# Altium PCB 10515.0462_全联供主板(2拼版)_V1.0.PcbDoc (part 15 of 18)
Units mm, origin at the board's own origin, x right, y up, seen from the top; angles counter-clockwise.
Board outline 282 x 198 mm, 2 copper layers (Top Layer, Bottom Layer); 716 components, 0 nets, 2364 pads, 1800 vias.
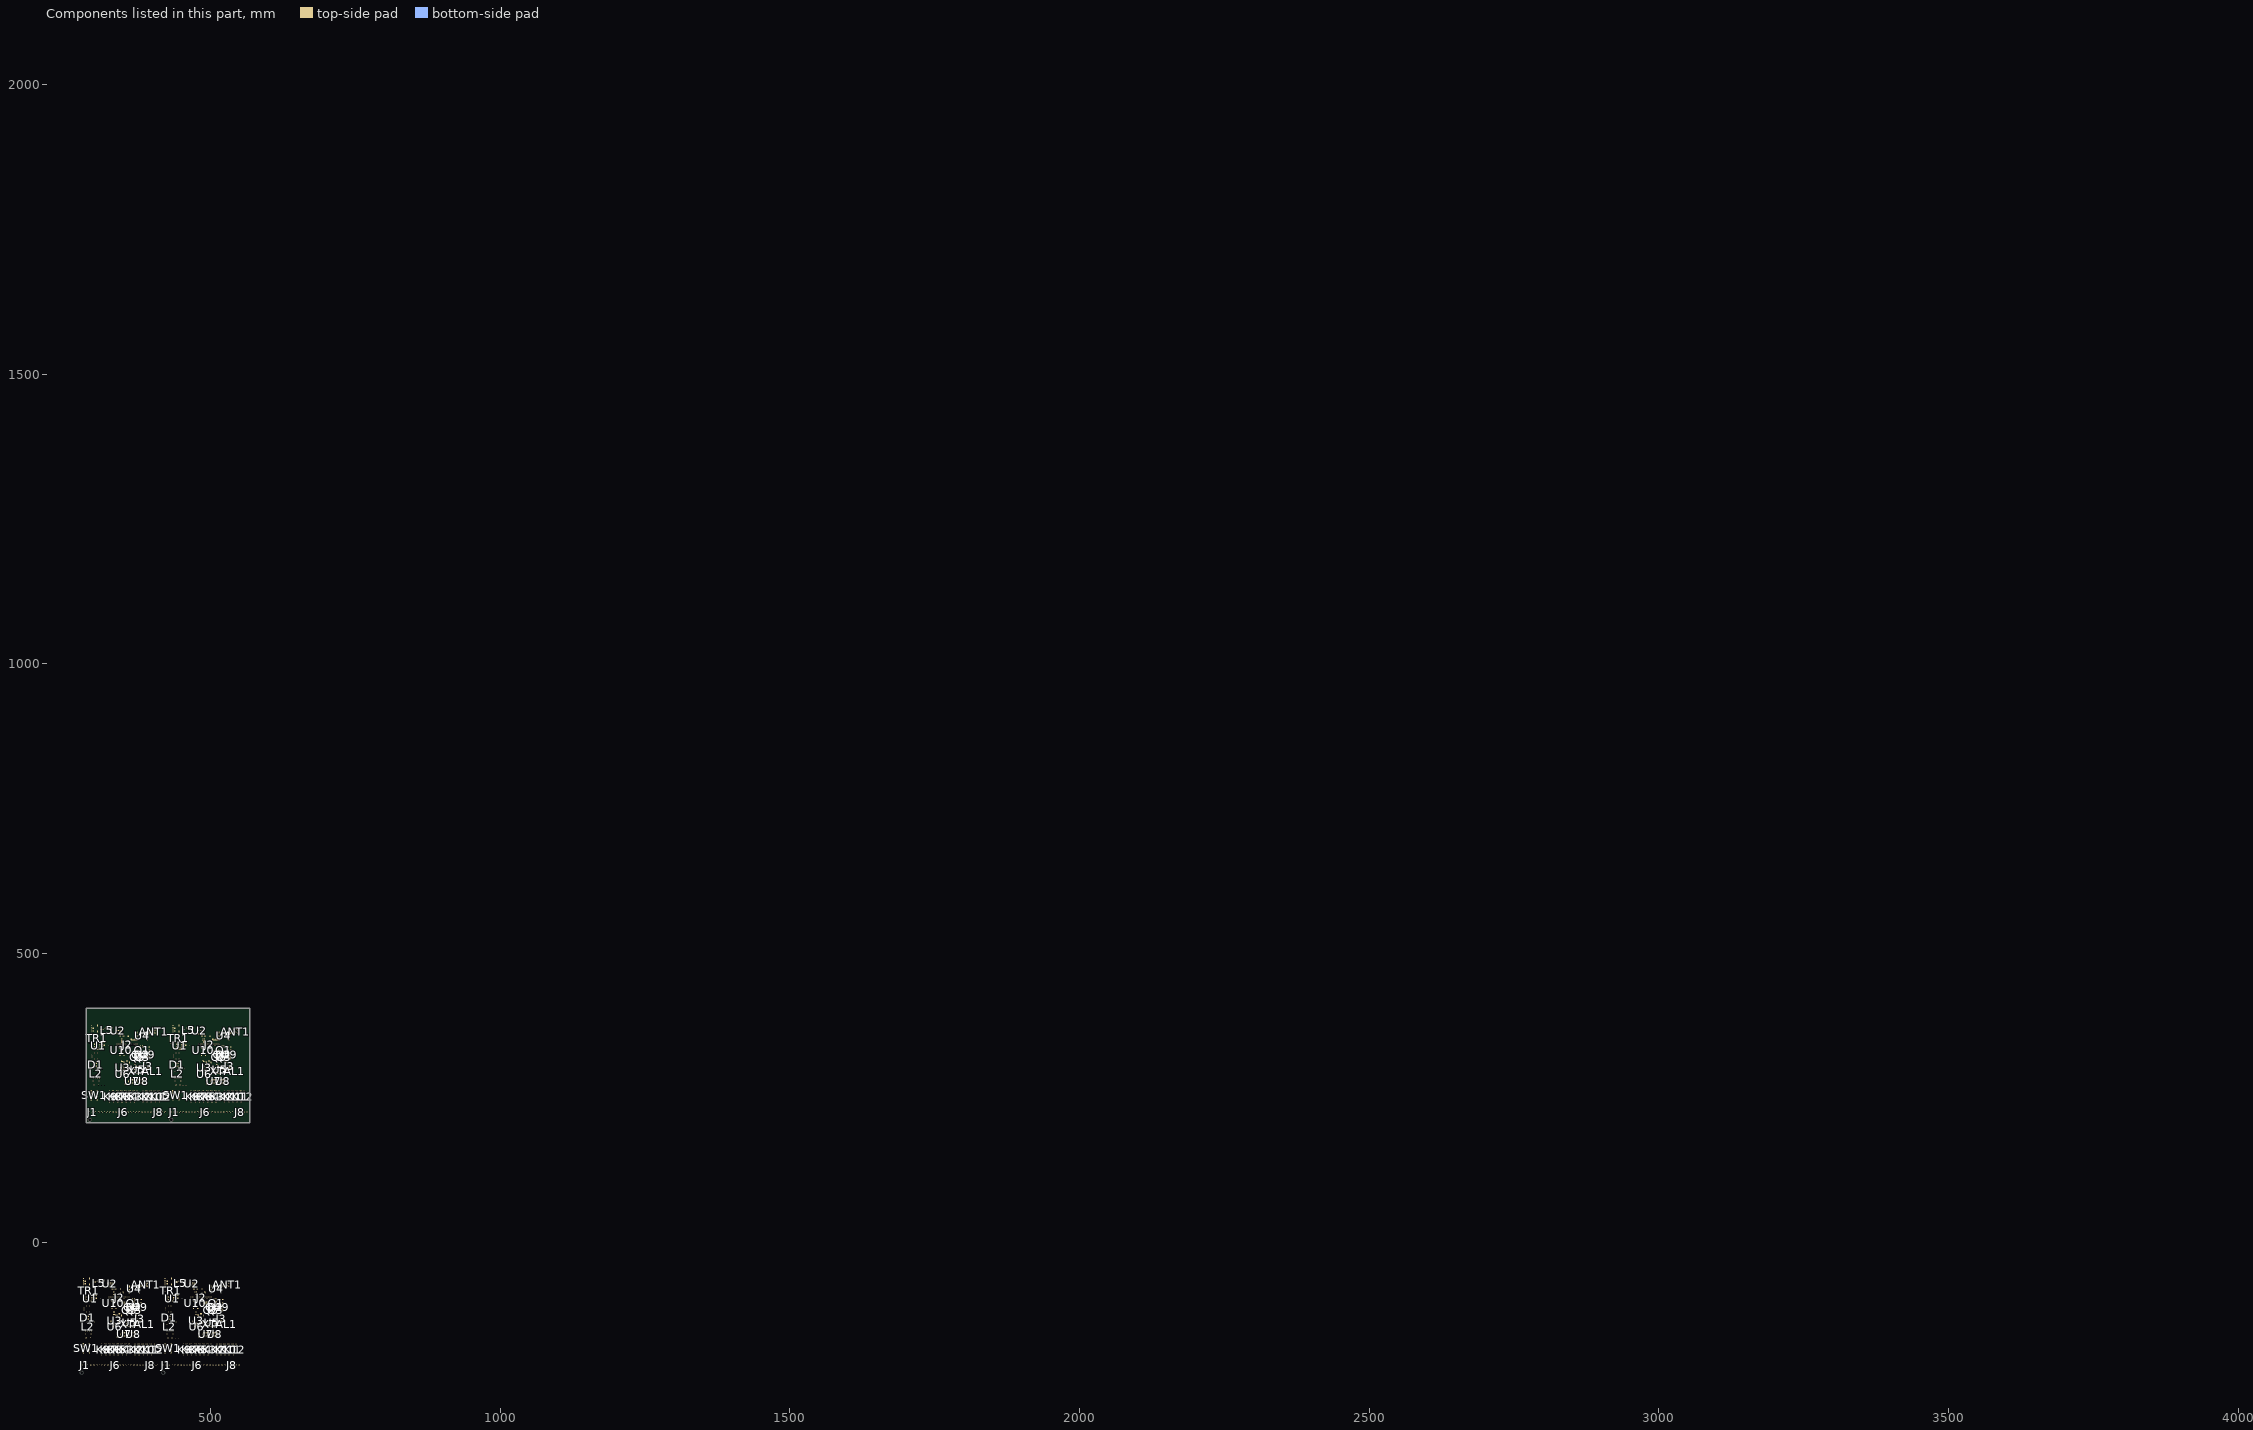
[diagram p15: the components of this part, seen from the top]

## Via types
v1: diameter 0.7, hole 0.4, Top Layer to Bottom Layer, tented both sides, 1800 vias

## Nets (pads, with @x,y where several pads share a name; then routed paths per layer and width w, separated by ;. In a path a pad name is that pad's centre, name@x,y a point inside that pad or via, vN(x,y) a via of type N, cw(c..) or ccw(c..) an arc to the next point about the centre after c; other vN are vias at no path point) (continued)
copper on no net: (continued)
  Bottom Layer w0.65: v1@318.496,-69.089 ccw(c318.496,-68.238) v1@319.098,-68.84 ; v1@318.514,-69.096 ccw(c318.952,-68.658) 318.952,-69.278 ; v1@319.154,-68.797 ccw(c319.893,-68.47) v1(319.893,-69.278) ; v1@319.87,-69.288 ccw(c319.131,-69.615) v1(319.131,-68.807) ; v1@319.875,-69.295 cw(c318.606,-70.565) 320.401,-70.565 ; v1@319.894,-69.303 cw(c319.945,-70.242) 320.61,-69.577 ; v1@320.094,-69.061 ccw(c320.386,-68.769) v1@320.64,-69.094 ; 320.401,-69.788 cw(c321.329,-69.788) v1@320.673,-69.132 ; 322.272,-92.736 cw(c322.272,-95.564) 324.272,-93.564 ccw(c323.526,-94.31) 323.526,-93.255 ccw(c323.526,-92.2) 324.272,-92.946 cw(c322.327,-91.002) 322.327,-93.752 ; 323.841,-92.736 cw(c323.841,-93.995) 324.732,-93.105 ; 323.896,-93.752 ccw(c323.896,-92.571) 324.732,-93.406 ; 324.062,-92.736 321.163,-92.736 320.401,-91.974 320.401,-69.368 319.84,-68.807 v1(319.131,-68.807) ; 324.272,-95.486 ccw(c323.526,-94.74) 324.581,-94.74 ccw(c325.636,-94.74) 324.89,-95.486 ; 324.581,-95.795 324.581,-94.376 323.957,-93.752 320.782,-93.752 319.893,-92.863 319.893,-92.355 ; 324.581,-93.255 320.794,-93.255 319.893,-92.355 ; 325.862,-95.911 327.121,-97.17 ; 327.121,-96.232 cw(c327.121,-97.287) 327.867,-96.541 cw(c328.613,-95.795) 327.558,-95.795 ; 327.259,-96.546 328.529,-97.816 ; 327.558,-95.812 ccw(c329.833,-95.9) 328.223,-97.51 ; 331.704,-92.759 331.704,-89.815 332.657,-88.862 340.15,-88.862 ; 331.704,-92.57 ccw(c332.886,-92.57) 332.05,-93.406 ; 331.704,-91.001 ccw(c334.456,-91.001) 332.51,-92.946 cw(c333.256,-92.2) 332.201,-92.2 cw(c331.146,-92.2) 331.892,-92.946 ccw(c330.353,-91.407) 332.53,-91.407 ; v1@332.125,367.506 ccw(c332.125,368.358) v1@332.727,367.756 ; v1@332.143,367.499 ccw(c332.581,367.937) 332.581,367.318 ; 332.201,-93.255 332.201,-91.974 332.201,-90.588 ; 332.53,-92.927 332.53,-90.259 ; v1@332.783,367.799 ccw(c333.522,368.126) v1(333.522,367.318) ; v1@333.499,367.308 ccw(c332.76,366.981) v1(332.76,367.789) ; v1@333.504,367.3 cw(c332.235,366.031) 334.03,366.031 ; v1@333.523,367.293 cw(c333.574,366.354) 334.239,367.019 ; v1@333.723,367.535 ccw(c334.015,367.827) v1@334.269,367.501 ; 334.03,366.808 cw(c334.957,366.808) v1@334.302,367.464 ; 334.741,-93.255 334.741,-91.477 334.752,-91.466 ; 335.901,343.859 cw(c335.901,341.031) 337.901,343.031 ccw(c337.155,342.285) 337.155,343.34 ccw(c337.155,344.395) 337.901,343.649 cw(c335.956,345.594) 335.956,342.843 ; 337.47,343.859 cw(c337.47,342.6) 338.36,343.491 ; 337.525,342.843 ccw(c337.525,344.025) 338.36,343.189 ; 337.69,343.859 334.792,343.859 334.03,344.621 334.03,367.227 333.469,367.789 v1(332.76,367.789) ; 337.901,341.109 ccw(c337.155,341.855) 338.21,341.855 ccw(c339.265,341.855) 338.519,341.109 ; 338.21,340.8 338.21,342.22 337.586,342.843 334.411,342.843 333.522,343.732 333.522,344.24 ; 338.21,343.34 334.422,343.34 333.522,344.24 ; 339.324,-89.688 340.15,-88.862 ; 339.491,340.684 340.75,339.426 ; 340.14,-88.872 cw(c341.483,-90.216) v1@341.483,-88.316 ; 340.467,-89.307 341.737,-88.037 ; v1@340.729,-88.267 ccw(c341.05,-87.35) 341.737,-88.037 ; 340.75,340.363 cw(c340.75,339.308) 341.496,340.054 cw(c342.242,340.8) 341.187,340.8 ; 340.888,340.049 342.158,338.779 ; 340.902,-88.872 cw(c342.245,-90.216) v1@342.245,-88.316 ; v1@340.902,-88.11 cw(c342.245,-89.454) v1@342.245,-87.554 ; 340.912,-88.862 ccw(c339.569,-87.518) v1@341.469,-87.518 ; 341.186,340.783 ccw(c343.461,340.696) 341.852,339.086 ; v1@341.356,-88.418 cw(c341.861,-88.923) v1@342.232,-88.312 ; v1@341.465,-88.273 ccw(c340.81,-87.617) v1@341.737,-87.617 ; v1@341.468,-88.311 cw(c341.045,-88.859) 341.737,-88.859 ; v1@341.476,-87.536 cw(c340.846,-88.167) v1@341.737,-88.167 ; v1@341.508,-88.291 cw(c343.408,-88.291) v1@342.065,-86.948 ; 341.737,-89.009 cw(c342.463,-89.009) v1@342.252,-88.315 ; v1@341.737,-88.247 cw(c342.463,-88.247) v1@342.252,-87.553 ; 341.801,-89.37 ccw(c340.785,-88.354) v1@342.22,-88.292 ; v1@342.259,-88.27 cw(c342.947,-87.275) v1@341.737,-87.275 ; 345.333,343.837 345.333,346.78 346.285,347.733 353.778,347.733 ; 345.333,344.025 ccw(c346.515,344.025) 345.679,343.189 ; 345.333,345.595 ccw(c348.084,345.595) 346.139,343.649 cw(c346.885,344.395) 345.83,344.395 cw(c344.775,344.395) 345.521,343.649 ccw(c343.981,345.188) 346.158,345.188 ; 345.83,343.34 345.83,344.621 345.83,346.007 ; 346.158,343.669 346.158,346.336 ; v1(347.452,-128.11) 347.497,-128.155 352.926,-128.155 376.027,-128.155 ; 348.37,343.34 348.37,345.118 348.381,345.129 ; v1(348.883,-103.669) v1(352.439,-103.669) 356.735,-103.669 357.231,-104.166 357.231,-113.31 357.231,-113.564 ; v1(348.96,-101.941) v1(352.389,-101.941) v1(355.945,-101.941) 357.866,-101.941 ; 352.953,346.907 353.778,347.733 ; 353.768,347.723 cw(c355.112,346.38) v1@355.112,348.279 ; 354.096,347.288 355.366,348.558 ; v1@354.358,348.328 ccw(c354.679,349.246) 355.366,348.558 ; 354.53,347.723 cw(c355.874,346.38) v1@355.874,348.279 ; v1@354.53,348.485 cw(c355.874,347.142) v1@355.874,349.041 ; 354.541,347.734 ccw(c353.197,349.077) v1@355.097,349.077 ; v1@354.985,348.178 cw(c355.49,347.672) v1@355.861,348.283 ; v1@355.094,348.322 ccw(c354.438,348.978) v1@355.366,348.978 ; v1@355.097,348.285 cw(c354.673,347.737) 355.366,347.737 ; v1@355.105,349.059 cw(c354.474,348.429) v1@355.366,348.429 ; v1@355.137,348.304 cw(c357.037,348.304) v1@355.693,349.648 ; 355.366,347.586 cw(c356.092,347.586) v1@355.881,348.281 ; v1@355.366,348.348 cw(c356.092,348.348) v1@355.881,349.043 ; v1@355.366,349.32 ccw(c356.576,349.32) v1@355.888,348.325 ; 355.429,347.225 ccw(c354.413,348.241) v1@355.849,348.303 ; v1(355.961,-103.658) 356.215,-103.658 357.231,-104.674 ; 358.755,-113.008 cw(c360.098,-113.008) v1@359.149,-112.058 ; 358.755,-111.072 ccw(c360.098,-111.072) v1@359.149,-112.022 ; 358.755,-106.553 cw(c360.14,-106.553) v1@359.161,-105.574 ; 358.755,-104.559 ccw(c360.14,-104.559) v1@359.161,-105.538 ; v1(359.131,-112.04) 359.131,-112.162 360.279,-113.31 ; v1(361.081,308.486) 361.126,308.44 366.555,308.44 389.656,308.44 ; v1(362.512,332.926) v1(366.068,332.926) 370.363,332.926 370.86,332.429 370.86,323.285 370.86,323.031 ; 362.565,-98.324 361.25,-98.324 360.742,-97.816 ; v1(362.589,334.654) v1(366.018,334.654) v1(369.574,334.654) 371.495,334.654 ; 362.819,-127.026 363.581,-126.264 ; 363.199,-127.16 363.581,-126.777 ; v1(363.581,-127.28) 363.581,-126.645 ; 363.581,-120.676 363.581,-120.644 364.184,-120.041 ; 363.581,-119.279 363.581,-119.438 364.184,-120.041 ; 363.964,-127.147 363.594,-126.777 363.581,-126.777 ; 364.47,-127.039 364.356,-127.039 363.581,-126.264 ; 364.548,-113.31 cw(c364.548,-115.491) v1@366.089,-113.949 ; 364.964,-113.31 366.107,-114.453 ; 365.225,-113.571 ccw(c366.039,-112.758) v1@366.106,-113.906 ; v1(365.232,-120.041) 364.216,-120.041 ; v1@365.468,-122.7 cw(c363.927,-124.242) 366.107,-124.242 ; v1@365.468,-122.664 ccw(c363.927,-121.122) 366.107,-121.122 ; v1(366.107,-126.264) 366.107,-118.263 ; 366.107,-119.279 366.107,-119.166 367.01,-118.263 ; 366.107,-117.374 366.996,-118.263 367.01,-118.263 ; v1@366.107,-113.906 ccw(c366.107,-112.585) 367.041,-113.519 ; 366.107,-113.451 v1(366.107,-113.931) 366.107,-114.453 ; v1@366.125,-113.949 cw(c367.667,-115.491) 367.667,-113.31 ; 367.25,-113.31 366.107,-114.453 ; v1(369.59,332.937) 369.844,332.937 370.86,331.921 ; v1(369.931,-113.31) 359.639,-113.31 ; v1(370.727,-117.12) 370.806,-117.041 370.806,-111.038 371.438,-110.406 v1(373.597,-110.406) ; 372.384,323.588 cw(c373.727,323.588) v1@372.777,324.538 ; 372.384,325.523 ccw(c373.727,325.523) v1@372.777,324.573 ; 372.384,330.042 cw(c373.769,330.042) v1@372.79,331.022 ; 372.384,332.037 ccw(c373.769,332.037) v1@372.79,331.057 ; v1(372.76,324.555) 372.76,324.434 373.908,323.285 ; v1(373.614,-112.057) 372.327,-112.057 371.836,-112.548 371.836,-118.009 371.582,-118.263 v1(369.804,-118.263) 367.01,-118.263 ; 374.59,-128.155 cw(c374.59,-130.342) v1@376.136,-128.796 ; v1@376.154,-128.803 cw(c376.154,-130.553) 377.392,-129.316 ; 376.194,338.271 374.879,338.271 374.371,338.779 ; 376.448,309.569 377.21,310.331 ; 376.827,309.436 377.21,309.818 ; 377.152,-130.795 377.152,-129.076 ; 377.152,-129.166 ccw(c379.508,-129.166) 377.842,-130.831 cw(c378.631,-130.042) 377.515,-130.042 cw(c376.399,-130.042) 377.188,-130.831 ; v1(377.21,309.315) 377.21,309.95 ; 377.21,315.919 377.21,315.952 377.813,316.554 ; 377.21,317.316 377.21,317.157 377.813,316.554 ; 377.515,-131.158 377.515,-128.895 376.775,-128.155 376.027,-128.155 ; 377.515,-129.439 377.152,-129.076 ; 377.592,309.449 377.223,309.818 377.21,309.818 ; 378.099,309.556 377.985,309.556 377.21,310.331 ; 378.176,323.285 cw(c378.176,321.105) v1@379.718,322.647 ; 378.593,323.285 379.736,322.142 ; 378.854,323.024 ccw(c379.667,323.838) v1@379.734,322.689 ; v1(378.861,316.554) 377.845,316.554 ; v1@379.097,313.896 cw(c377.555,312.354) 379.736,312.354 ; v1@379.097,313.931 ccw(c377.555,315.473) 379.736,315.473 ; v1(379.736,310.331) 379.736,318.332 ; 379.736,317.316 379.736,317.429 380.639,318.332 ; 379.736,319.221 380.625,318.332 380.639,318.332 ; v1@379.736,322.689 ccw(c379.736,324.01) 380.67,323.076 ; 379.736,323.144 v1(379.736,322.664) 379.736,322.142 ; v1@379.754,322.647 cw(c381.295,321.105) 381.295,323.285 ; v1(379.78,-109.754) 379.78,-106.706 379.78,-102.065 v1(380.091,-101.753) ; 379.78,-102.566 cw(c380.904,-102.566) v1@380.109,-101.771 ; 380.879,323.285 379.736,322.142 ; v1(383.56,323.285) 373.268,323.285 ; v1(384.356,319.475) 384.435,319.555 384.435,325.557 385.067,326.19 v1(387.226,326.19) ; v1(387.243,324.539) 385.956,324.539 385.465,324.047 385.465,318.586 385.211,318.332 v1(383.433,318.332) 380.639,318.332 ; 388.218,308.44 cw(c388.218,306.253) v1@389.765,307.8 ; v1@389.783,307.792 cw(c389.783,306.042) 391.02,307.28 ; 390.781,305.8 390.781,307.519 ; 390.781,307.43 ccw(c393.136,307.43) 391.471,305.764 cw(c392.26,306.553) 391.144,306.553 cw(c390.027,306.553) 390.817,305.764 ; 391.144,305.437 391.144,307.701 390.404,308.44 389.656,308.44 ; 391.144,307.156 390.781,307.519 ; v1(393.408,326.841) 393.408,329.889 393.408,334.531 v1(393.72,334.842) ; 393.408,334.03 cw(c394.533,334.03) v1@393.738,334.825 ; v1@459.496,-69.089 ccw(c459.496,-68.238) v1@460.098,-68.84 ; v1@459.514,-69.096 ccw(c459.952,-68.658) 459.952,-69.278 ; v1@460.154,-68.797 ccw(c460.893,-68.47) v1(460.893,-69.278) ; v1@460.87,-69.288 ccw(c460.131,-69.615) v1(460.131,-68.807) ; v1@460.875,-69.295 cw(c459.606,-70.565) 461.401,-70.565 ; v1@460.894,-69.303 cw(c460.945,-70.242) 461.61,-69.577 ; v1@461.094,-69.061 ccw(c461.386,-68.769) v1@461.64,-69.094 ; 461.401,-69.788 cw(c462.329,-69.788) v1@461.673,-69.132 ; 463.272,-92.736 cw(c463.272,-95.564) 465.272,-93.564 ccw(c464.526,-94.31) 464.526,-93.255 ccw(c464.526,-92.2) 465.272,-92.946 cw(c463.327,-91.002) 463.327,-93.752 ; 464.841,-92.736 cw(c464.841,-93.995) 465.732,-93.105 ; 464.896,-93.752 ccw(c464.896,-92.571) 465.732,-93.406 ; 465.062,-92.736 462.163,-92.736 461.401,-91.974 461.401,-69.368 460.84,-68.807 v1(460.131,-68.807) ; 465.272,-95.486 ccw(c464.526,-94.74) 465.581,-94.74 ccw(c466.636,-94.74) 465.89,-95.486 ; 465.581,-95.795 465.581,-94.376 464.957,-93.752 461.782,-93.752 460.893,-92.863 460.893,-92.355 ; 465.581,-93.255 461.794,-93.255 460.893,-92.355 ; 466.862,-95.911 468.121,-97.17 ; 468.121,-96.232 cw(c468.121,-97.287) 468.867,-96.541 cw(c469.613,-95.795) 468.558,-95.795 ; 468.259,-96.546 469.529,-97.816 ; 468.558,-95.812 ccw(c470.833,-95.9) 469.223,-97.51 ; 472.704,-92.759 472.704,-89.815 473.657,-88.862 481.15,-88.862 ; 472.704,-92.57 ccw(c473.886,-92.57) 473.05,-93.406 ; 472.704,-91.001 ccw(c475.456,-91.001) 473.51,-92.946 cw(c474.256,-92.2) 473.201,-92.2 cw(c472.146,-92.2) 472.892,-92.946 ccw(c471.353,-91.407) 473.53,-91.407 ; v1@473.125,367.506 ccw(c473.125,368.358) v1@473.727,367.756 ; v1@473.143,367.499 ccw(c473.581,367.937) 473.581,367.318 ; 473.201,-93.255 473.201,-91.974 473.201,-90.588 ; 473.53,-92.927 473.53,-90.259 ; v1@473.783,367.799 ccw(c474.522,368.126) v1(474.522,367.318) ; v1@474.499,367.308 ccw(c473.76,366.981) v1(473.76,367.789) ; v1@474.504,367.3 cw(c473.235,366.031) 475.03,366.031 ; v1@474.523,367.293 cw(c474.574,366.354) 475.239,367.019 ; v1@474.723,367.535 ccw(c475.015,367.827) v1@475.269,367.501 ; 475.03,366.808 cw(c475.957,366.808) v1@475.302,367.464 ; 475.741,-93.255 475.741,-91.477 475.752,-91.466 ; 476.901,343.859 cw(c476.901,341.031) 478.901,343.031 ccw(c478.155,342.285) 478.155,343.34 ccw(c478.155,344.395) 478.901,343.649 cw(c476.956,345.594) 476.956,342.843 ; 478.47,343.859 cw(c478.47,342.6) 479.36,343.491 ; 478.525,342.843 ccw(c478.525,344.025) 479.36,343.189 ; 478.69,343.859 475.792,343.859 475.03,344.621 475.03,367.227 474.469,367.789 v1(473.76,367.789) ; 478.901,341.109 ccw(c478.155,341.855) 479.21,341.855 ccw(c480.265,341.855) 479.519,341.109 ; 479.21,340.8 479.21,342.22 478.586,342.843 475.411,342.843 474.522,343.732 474.522,344.24 ; 479.21,343.34 475.422,343.34 474.522,344.24 ; 480.324,-89.688 481.15,-88.862 ; 480.491,340.684 481.75,339.426 ; 481.14,-88.872 cw(c482.483,-90.216) v1@482.483,-88.316 ; 481.467,-89.307 482.737,-88.037 ; v1@481.729,-88.267 ccw(c482.05,-87.35) 482.737,-88.037 ; 481.75,340.363 cw(c481.75,339.308) 482.496,340.054 cw(c483.242,340.8) 482.187,340.8 ; 481.888,340.049 483.158,338.779 ; 481.902,-88.872 cw(c483.245,-90.216) v1@483.245,-88.316 ; v1@481.902,-88.11 cw(c483.245,-89.454) v1@483.245,-87.554 ; 481.912,-88.862 ccw(c480.569,-87.518) v1@482.469,-87.518 ; 482.186,340.783 ccw(c484.461,340.696) 482.852,339.086 ; v1@482.356,-88.418 cw(c482.861,-88.923) v1@483.232,-88.312 ; v1@482.465,-88.273 ccw(c481.81,-87.617) v1@482.737,-87.617 ; v1@482.468,-88.311 cw(c482.045,-88.859) 482.737,-88.859 ; v1@482.476,-87.536 cw(c481.846,-88.167) v1@482.737,-88.167 ; v1@482.508,-88.291 cw(c484.408,-88.291) v1@483.065,-86.948 ; 482.737,-89.009 cw(c483.463,-89.009) v1@483.252,-88.315 ; v1@482.737,-88.247 cw(c483.463,-88.247) v1@483.252,-87.553 ; 482.801,-89.37 ccw(c481.785,-88.354) v1@483.22,-88.292 ; v1@483.259,-88.27 cw(c483.947,-87.275) v1@482.737,-87.275 ; 486.333,343.837 486.333,346.78 487.285,347.733 494.778,347.733 ; 486.333,344.025 ccw(c487.515,344.025) 486.679,343.189 ; 486.333,345.595 ccw(c489.084,345.595) 487.139,343.649 cw(c487.885,344.395) 486.83,344.395 cw(c485.775,344.395) 486.521,343.649 ccw(c484.981,345.188) 487.158,345.188 ; 486.83,343.34 486.83,344.621 486.83,346.007 ; 487.158,343.669 487.158,346.336 ; v1(488.452,-128.11) 488.497,-128.155 493.926,-128.155 517.027,-128.155 ; 489.37,343.34 489.37,345.118 489.381,345.129 ; v1(489.883,-103.669) v1(493.439,-103.669) 497.735,-103.669 498.231,-104.166 498.231,-113.31 498.231,-113.564 ; v1(489.96,-101.941) v1(493.389,-101.941) v1(496.945,-101.941) 498.866,-101.941 ; 493.953,346.907 494.778,347.733 ; 494.768,347.723 cw(c496.112,346.38) v1@496.112,348.279 ; 495.096,347.288 496.366,348.558 ; v1@495.358,348.328 ccw(c495.679,349.246) 496.366,348.558 ; 495.53,347.723 cw(c496.874,346.38) v1@496.874,348.279 ; v1@495.53,348.485 cw(c496.874,347.142) v1@496.874,349.041 ; 495.541,347.734 ccw(c494.197,349.077) v1@496.097,349.077 ; v1@495.985,348.178 cw(c496.49,347.672) v1@496.861,348.283 ; v1@496.094,348.322 ccw(c495.438,348.978) v1@496.366,348.978 ; v1@496.097,348.285 cw(c495.673,347.737) 496.366,347.737 ; v1@496.105,349.059 cw(c495.474,348.429) v1@496.366,348.429 ; v1@496.137,348.304 cw(c498.037,348.304) v1@496.693,349.648 ; 496.366,347.586 cw(c497.092,347.586) v1@496.881,348.281 ; v1@496.366,348.348 cw(c497.092,348.348) v1@496.881,349.043 ; v1@496.366,349.32 ccw(c497.576,349.32) v1@496.888,348.325 ; 496.429,347.225 ccw(c495.413,348.241) v1@496.849,348.303 ; v1(496.961,-103.658) 497.215,-103.658 498.231,-104.674 ; 499.755,-113.008 cw(c501.098,-113.008) v1@500.149,-112.058 ; 499.755,-111.072 ccw(c501.098,-111.072) v1@500.149,-112.022 ; 499.755,-106.553 cw(c501.14,-106.553) v1@500.161,-105.574 ; 499.755,-104.559 ccw(c501.14,-104.559) v1@500.161,-105.538 ; v1(500.131,-112.04) 500.131,-112.162 501.279,-113.31 ; v1(502.081,308.486) 502.126,308.44 507.555,308.44 530.656,308.44 ; v1(503.512,332.926) v1(507.068,332.926) 511.363,332.926 511.86,332.429 511.86,323.285 511.86,323.031 ; 503.565,-98.324 502.25,-98.324 501.742,-97.816 ; v1(503.589,334.654) v1(507.018,334.654) v1(510.574,334.654) 512.495,334.654 ; 503.819,-127.026 504.581,-126.264 ; 504.199,-127.16 504.581,-126.777 ; v1(504.581,-127.28) 504.581,-126.645 ; 504.581,-120.676 504.581,-120.644 505.184,-120.041 ; 504.581,-119.279 504.581,-119.438 505.184,-120.041 ; 504.964,-127.147 504.594,-126.777 504.581,-126.777 ; 505.47,-127.039 505.356,-127.039 504.581,-126.264 ; 505.548,-113.31 cw(c505.548,-115.491) v1@507.089,-113.949 ; 505.964,-113.31 507.107,-114.453 ; 506.225,-113.571 ccw(c507.039,-112.758) v1@507.106,-113.906 ; v1(506.232,-120.041) 505.216,-120.041 ; v1@506.468,-122.7 cw(c504.927,-124.242) 507.107,-124.242 ; v1@506.468,-122.664 ccw(c504.927,-121.122) 507.107,-121.122 ; v1(507.107,-126.264) 507.107,-118.263 ; 507.107,-119.279 507.107,-119.166 508.01,-118.263 ; 507.107,-117.374 507.996,-118.263 508.01,-118.263 ; v1@507.107,-113.906 ccw(c507.107,-112.585) 508.041,-113.519 ; 507.107,-113.451 v1(507.107,-113.931) 507.107,-114.453 ; v1@507.125,-113.949 cw(c508.667,-115.491) 508.667,-113.31 ; 508.25,-113.31 507.107,-114.453 ; v1(510.59,332.937) 510.844,332.937 511.86,331.921 ; v1(510.931,-113.31) 500.639,-113.31 ; v1(511.727,-117.12) 511.806,-117.041 511.806,-111.038 512.438,-110.406 v1(514.597,-110.406) ; 513.384,323.588 cw(c514.727,323.588) v1@513.777,324.538 ; 513.384,325.523 ccw(c514.727,325.523) v1@513.777,324.573 ; 513.384,330.042 cw(c514.769,330.042) v1@513.79,331.022 ; 513.384,332.037 ccw(c514.769,332.037) v1@513.79,331.057 ; v1(513.76,324.555) 513.76,324.434 514.908,323.285 ; v1(514.614,-112.057) 513.327,-112.057 512.836,-112.548 512.836,-118.009 512.582,-118.263 v1(510.804,-118.263) 508.01,-118.263 ; 515.59,-128.155 cw(c515.59,-130.342) v1@517.136,-128.796 ; v1@517.154,-128.803 cw(c517.154,-130.553) 518.392,-129.316 ; 517.194,338.271 515.879,338.271 515.371,338.779 ; 517.448,309.569 518.21,310.331 ; 517.827,309.436 518.21,309.818 ; 518.152,-130.795 518.152,-129.076 ; 518.152,-129.166 ccw(c520.508,-129.166) 518.842,-130.831 cw(c519.631,-130.042) 518.515,-130.042 cw(c517.399,-130.042) 518.188,-130.831 ; v1(518.21,309.315) 518.21,309.95 ; 518.21,315.919 518.21,315.952 518.813,316.554 ; 518.21,317.316 518.21,317.157 518.813,316.554 ; 518.515,-131.158 518.515,-128.895 517.775,-128.155 517.027,-128.155 ; 518.515,-129.439 518.152,-129.076 ; 518.593,309.449 518.223,309.818 518.21,309.818 ; 519.099,309.556 518.985,309.556 518.21,310.331 ; 519.176,323.285 cw(c519.176,321.105) v1@520.718,322.647 ; 519.593,323.285 520.736,322.142 ; 519.854,323.024 ccw(c520.667,323.838) v1@520.734,322.689 ; v1(519.861,316.554) 518.845,316.554 ; v1@520.097,313.896 cw(c518.555,312.354) 520.736,312.354 ; v1@520.097,313.931 ccw(c518.555,315.473) 520.736,315.473 ; v1(520.736,310.331) 520.736,318.332 ; 520.736,317.316 520.736,317.429 521.639,318.332 ; 520.736,319.221 521.625,318.332 521.639,318.332 ; v1@520.736,322.689 ccw(c520.736,324.01) 521.67,323.076 ; 520.736,323.144 v1(520.736,322.664) 520.736,322.142 ; v1@520.754,322.647 cw(c522.295,321.105) 522.295,323.285 ; v1(520.78,-109.754) 520.78,-106.706 520.78,-102.065 v1(521.091,-101.753) ; 520.78,-102.566 cw(c521.904,-102.566) v1@521.109,-101.771 ; 521.879,323.285 520.736,322.142 ; v1(524.56,323.285) 514.268,323.285 ; v1(525.356,319.475) 525.435,319.555 525.435,325.557 526.067,326.19 v1(528.226,326.19) ; v1(528.243,324.539) 526.956,324.539 526.465,324.047 526.465,318.586 526.211,318.332 v1(524.433,318.332) 521.639,318.332 ; 529.218,308.44 cw(c529.218,306.253) v1@530.765,307.8 ; v1@530.783,307.792 cw(c530.783,306.042) 532.02,307.28 ; 531.781,305.8 531.781,307.519 ; 531.781,307.43 ccw(c534.136,307.43) 532.471,305.764 cw(c533.26,306.553) 532.144,306.553 cw(c531.027,306.553) 531.817,305.764 ; 532.144,305.437 532.144,307.701 531.404,308.44 530.656,308.44 ; 532.144,307.156 531.781,307.519 ; v1(534.408,326.841) 534.408,329.889 534.408,334.531 v1(534.72,334.842) ; 534.408,334.03 cw(c535.533,334.03) v1@534.738,334.825 ; v1(319.131,-68.807) 318.66,-69.278 v1(319.893,-69.278) ; 319.893,-92.355 v1(319.893,-69.278) ; 327.121,-97.17 327.121,-95.795 329.142,-97.816 ; 327.121,-97.17 327.767,-97.816 ; 327.121,-96.85 ccw(c326.066,-96.85) 326.812,-96.104 cw(c326.066,-96.85) 327.121,-96.85 ; 327.121,-96.85 cw(c328.176,-96.85) 327.43,-96.104 ccw(c328.176,-96.85) 327.121,-96.85 ; 327.767,-97.816 328.275,-98.324 329.799,-98.324 ; 327.767,-97.816 328.529,-97.816 ; 328.529,-97.816 329.291,-97.816 ; 329.142,-97.816 360.742,-97.816 ; 329.142,-97.816 329.291,-97.816 ; 329.291,-97.816 329.799,-98.324 ; 329.799,-98.324 363.327,-98.324 ; 332.201,-90.588 332.201,-89.953 332.847,-89.307 333.482,-89.307 341.229,-89.307 341.737,-88.799 341.737,-88.037 ; 332.201,-90.588 332.53,-90.259 ; 332.53,-90.259 333.101,-89.688 341.483,-89.688 342.245,-88.926 v1(342.245,-86.767) ; v1(332.76,367.789) 332.289,367.318 v1(333.522,367.318) ; 333.522,344.24 v1(333.522,367.318) ; 340.15,-88.862 v1(342.245,-86.767) ; 340.75,339.426 340.75,340.8 342.77,338.779 ; 340.75,339.426 341.396,338.779 ; 340.75,339.745 ccw(c339.695,339.745) 340.441,340.491 cw(c339.695,339.745) 340.75,339.745 ; 340.75,339.745 cw(c341.805,339.745) 341.059,340.491 ccw(c341.805,339.745) 340.75,339.745 ; 341.396,338.779 341.904,338.271 343.428,338.271 ; 341.396,338.779 342.158,338.779 ; 341.737,-88.037 v1@341.737,-87.275 ; v1@341.737,-87.275 v1(342.245,-86.767) ; 342.158,338.779 342.92,338.779 ; 342.77,338.779 374.371,338.779 ; 342.77,338.779 342.92,338.779 ; 342.92,338.779 343.428,338.271 ; 343.428,338.271 376.956,338.271 ; 345.83,346.007 345.83,346.642 346.476,347.288 347.111,347.288 354.858,347.288 355.366,347.796 355.366,348.558 ; 345.83,346.007 346.158,346.336 ; 346.158,346.336 346.73,346.907 355.112,346.907 355.874,347.669 v1(355.874,349.828) ; 353.778,347.733 v1(355.874,349.828) ; 355.366,348.558 355.366,349.32 v1(355.874,349.828) ; 357.231,-113.564 357.231,-114.072 357.612,-114.453 358.12,-114.453 ; 357.231,-113.564 358.12,-114.453 ; 357.866,-101.941 358.69,-101.941 359.143,-102.395 v1(359.143,-105.556) 359.143,-112.814 359.639,-113.31 ; 357.866,-101.941 358.755,-102.83 358.755,-113.056 359.009,-113.31 359.639,-113.31 ; 358.12,-114.453 362.311,-114.453 362.565,-114.453 ; 360.742,-97.816 363.454,-97.816 363.962,-98.324 ; 362.565,-114.453 363.581,-115.469 ; 362.565,-114.453 363.2,-114.453 363.581,-114.834 363.581,-115.469 ; 363.327,-98.324 363.708,-98.705 v1(366.121,-101.118) 366.121,-100.483 363.962,-98.324 ; 363.327,-98.324 363.962,-98.324 ; 363.581,-126.777 363.581,-126.645 ; 363.581,-126.645 363.581,-126.264 ; 363.581,-126.264 v1(363.581,-120.041) ; v1(363.581,-120.041) 364.216,-120.041 ; v1(363.581,-120.041) 363.581,-115.469 ; 364.184,-120.041 364.216,-120.041 ; 364.184,-120.041 364.216,-120.041 ; 366.107,-118.263 367.01,-118.263 ; 366.107,-118.263 366.107,-114.453 ; 370.86,323.031 370.86,322.523 371.241,322.142 371.749,322.142 ; 370.86,323.031 371.749,322.142 ; 371.495,334.654 372.318,334.654 372.772,334.2 v1(372.772,331.039) 372.772,323.781 373.268,323.285 ; 371.495,334.654 372.384,333.765 372.384,323.539 372.638,323.285 373.268,323.285 ; 371.749,322.142 375.94,322.142 376.194,322.142 ; 374.371,338.779 377.083,338.779 377.591,338.271 ; 376.027,-128.155 376.231,-128.155 377.152,-129.076 ; 376.194,322.142 377.21,321.126 ; 376.194,322.142 376.829,322.142 377.21,321.761 377.21,321.126 ; 376.956,338.271 377.337,337.89 v1(379.75,335.477) 379.75,336.112 377.591,338.271 ; 376.956,338.271 377.591,338.271 ; 377.21,309.818 377.21,309.95 ; 377.21,309.95 377.21,310.331 ; 377.21,310.331 v1(377.21,316.554) ; v1(377.21,316.554) 377.845,316.554 ; v1(377.21,316.554) 377.21,321.126 ; 377.813,316.554 377.845,316.554 ; 377.813,316.554 377.845,316.554 ; 379.736,318.332 380.639,318.332 ; 379.736,318.332 379.736,322.142 ; 389.656,308.44 389.86,308.44 390.781,307.519 ; v1(460.131,-68.807) 459.66,-69.278 v1(460.893,-69.278) ; 460.893,-92.355 v1(460.893,-69.278) ; 468.121,-97.17 468.121,-95.795 470.142,-97.816 ; 468.121,-97.17 468.767,-97.816 ; 468.121,-96.85 ccw(c467.066,-96.85) 467.812,-96.104 cw(c467.066,-96.85) 468.121,-96.85 ; 468.121,-96.85 cw(c469.176,-96.85) 468.43,-96.104 ccw(c469.176,-96.85) 468.121,-96.85 ; 468.767,-97.816 469.275,-98.324 470.799,-98.324 ; 468.767,-97.816 469.529,-97.816 ; 469.529,-97.816 470.291,-97.816 ; 470.142,-97.816 501.742,-97.816 ; 470.142,-97.816 470.291,-97.816 ; 470.291,-97.816 470.799,-98.324 ; 470.799,-98.324 504.327,-98.324 ; 473.201,-90.588 473.201,-89.953 473.847,-89.307 474.482,-89.307 482.229,-89.307 482.737,-88.799 482.737,-88.037 ; 473.201,-90.588 473.53,-90.259 ; 473.53,-90.259 474.101,-89.688 482.483,-89.688 483.245,-88.926 v1(483.245,-86.767) ; v1(473.76,367.789) 473.289,367.318 v1(474.522,367.318) ; 474.522,344.24 v1(474.522,367.318) ; 481.15,-88.862 v1(483.245,-86.767) ; 481.75,339.426 481.75,340.8 483.77,338.779 ; 481.75,339.426 482.396,338.779 ; 481.75,339.745 ccw(c480.695,339.745) 481.441,340.491 cw(c480.695,339.745) 481.75,339.745 ; 481.75,339.745 cw(c482.805,339.745) 482.059,340.491 ccw(c482.805,339.745) 481.75,339.745 ; 482.396,338.779 482.904,338.271 484.428,338.271 ; 482.396,338.779 483.158,338.779 ; 482.737,-88.037 v1@482.737,-87.275 ; v1@482.737,-87.275 v1(483.245,-86.767) ; 483.158,338.779 483.92,338.779 ; 483.77,338.779 515.371,338.779 ; 483.77,338.779 483.92,338.779 ; 483.92,338.779 484.428,338.271 ; 484.428,338.271 517.956,338.271 ; 486.83,346.007 486.83,346.642 487.476,347.288 488.111,347.288 495.858,347.288 496.366,347.796 496.366,348.558 ; 486.83,346.007 487.158,346.336 ; 487.158,346.336 487.73,346.907 496.112,346.907 496.874,347.669 v1(496.874,349.828) ; 494.778,347.733 v1(496.874,349.828) ; 496.366,348.558 496.366,349.32 v1(496.874,349.828) ; 498.231,-113.564 498.231,-114.072 498.612,-114.453 499.12,-114.453 ; 498.231,-113.564 499.12,-114.453 ; 498.866,-101.941 499.69,-101.941 500.143,-102.395 v1(500.143,-105.556) 500.143,-112.814 500.639,-113.31 ; 498.866,-101.941 499.755,-102.83 499.755,-113.056 500.009,-113.31 500.639,-113.31 ; 499.12,-114.453 503.311,-114.453 503.565,-114.453 ; 501.742,-97.816 504.454,-97.816 504.962,-98.324 ; 503.565,-114.453 504.581,-115.469 ; 503.565,-114.453 504.2,-114.453 504.581,-114.834 504.581,-115.469 ; 504.327,-98.324 504.708,-98.705 v1(507.121,-101.118) 507.121,-100.483 504.962,-98.324 ; 504.327,-98.324 504.962,-98.324 ; 504.581,-126.777 504.581,-126.645 ; 504.581,-126.645 504.581,-126.264 ; 504.581,-126.264 v1(504.581,-120.041) ; v1(504.581,-120.041) 505.216,-120.041 ; v1(504.581,-120.041) 504.581,-115.469 ; 505.184,-120.041 505.216,-120.041 ; 505.184,-120.041 505.216,-120.041 ; 507.107,-118.263 508.01,-118.263 ; 507.107,-118.263 507.107,-114.453 ; 511.86,323.031 511.86,322.523 512.241,322.142 512.749,322.142 ; 511.86,323.031 512.749,322.142 ; 512.495,334.654 513.318,334.654 513.772,334.2 v1(513.772,331.039) 513.772,323.781 514.268,323.285 ; 512.495,334.654 513.384,333.765 513.384,323.539 513.638,323.285 514.268,323.285 ; 512.749,322.142 516.94,322.142 517.194,322.142 ; 515.371,338.779 518.083,338.779 518.591,338.271 ; 517.027,-128.155 517.231,-128.155 518.152,-129.076 ; 517.194,322.142 518.21,321.126 ; 517.194,322.142 517.829,322.142 518.21,321.761 518.21,321.126 ; 517.956,338.271 518.337,337.89 v1(520.75,335.477) 520.75,336.112 518.591,338.271 ; 517.956,338.271 518.591,338.271 ; 518.21,309.818 518.21,309.95 ; 518.21,309.95 518.21,310.331 ; 518.21,310.331 v1(518.21,316.554) ; v1(518.21,316.554) 518.845,316.554 ; v1(518.21,316.554) 518.21,321.126 ; 518.813,316.554 518.845,316.554 ; 518.813,316.554 518.845,316.554 ; 520.736,318.332 521.639,318.332 ; 520.736,318.332 520.736,322.142 ; 530.656,308.44 530.86,308.44 531.781,307.519 ; v1@341.478,-87.538 cw(c341.017,-88.091) 341.737,-88.091 ccw(c341.017,-88.091) v1@341.478,-87.538 ; v1@355.106,349.058 cw(c354.646,348.504) 355.366,348.504 ccw(c354.646,348.504) v1@355.106,349.058 ; v1@482.478,-87.538 cw(c482.017,-88.091) 482.737,-88.091 ccw(c482.017,-88.091) v1@482.478,-87.538 ; v1@496.106,349.058 cw(c495.646,348.504) 496.366,348.504 ccw(c495.646,348.504) v1@496.106,349.058
  Bottom Layer w1: 273.411,-206.147 277.081,-209.817 277.081,-210.984 ; 273.983,-206.718 273.983,-205.512 ; 273.983,-144.488 273.983,-205.512 ; 274.975,-207.711 cw(c271.702,-210.984) 276.331,-210.984 ccw(c274.52,-210.984) 275.801,-209.704 ccw(c277.081,-208.424) 277.081,-210.234 ; 276.682,-209.418 cw(c275.116,-210.984) 277.331,-210.984 ; 277.081,-223.787 277.221,-223.927 ; 286.111,-136.551 281.92,-136.551 273.411,-145.06 273.411,-207.315 277.081,-210.984 ; 287.04,230.448 290.71,226.779 290.71,225.611 ; 287.611,229.877 287.611,231.083 ; 287.611,292.107 287.611,231.083 ; 288.604,228.885 cw(c285.33,225.611) 289.96,225.611 ccw(c288.149,225.611) 289.429,226.891 ccw(c290.71,228.172) 290.71,226.361 ; 290.311,227.177 cw(c288.745,225.611) 290.96,225.611 ; 290.71,212.809 290.85,212.668 ; 299.74,300.044 295.549,300.044 287.04,291.535 287.04,229.281 290.71,225.611 ; 414.411,-206.147 418.081,-209.817 418.081,-210.984 ; 414.983,-206.718 414.983,-205.512 ; 414.983,-144.488 414.983,-205.512 ; 415.975,-207.711 cw(c412.702,-210.984) 417.331,-210.984 ccw(c415.52,-210.984) 416.801,-209.704 ccw(c418.081,-208.424) 418.081,-210.234 ; 417.682,-209.418 cw(c416.116,-210.984) 418.331,-210.984 ; 418.081,-223.787 418.221,-223.927 ; 427.111,-136.551 422.92,-136.551 414.411,-145.06 414.411,-207.315 418.081,-210.984 ; 428.04,230.448 431.71,226.779 431.71,225.611 ; 428.611,229.877 428.611,231.083 ; 428.611,292.107 428.611,231.083 ; 429.604,228.885 cw(c426.33,225.611) 430.96,225.611 ccw(c429.149,225.611) 430.429,226.891 ccw(c431.71,228.172) 431.71,226.361 ; 431.311,227.177 cw(c429.745,225.611) 431.96,225.611 ; 431.71,212.809 431.85,212.668 ; 440.74,300.044 436.549,300.044 428.04,291.535 428.04,229.281 431.71,225.611 ; 273.983,-205.512 277.081,-208.61 277.081,-210.984 ; 287.611,231.083 290.71,227.985 290.71,225.611 ; 414.983,-205.512 418.081,-208.61 418.081,-210.984 ; 428.611,231.083 431.71,227.985 431.71,225.611